# Altium PCB SmartMCU_PCB.PcbDoc (continued)
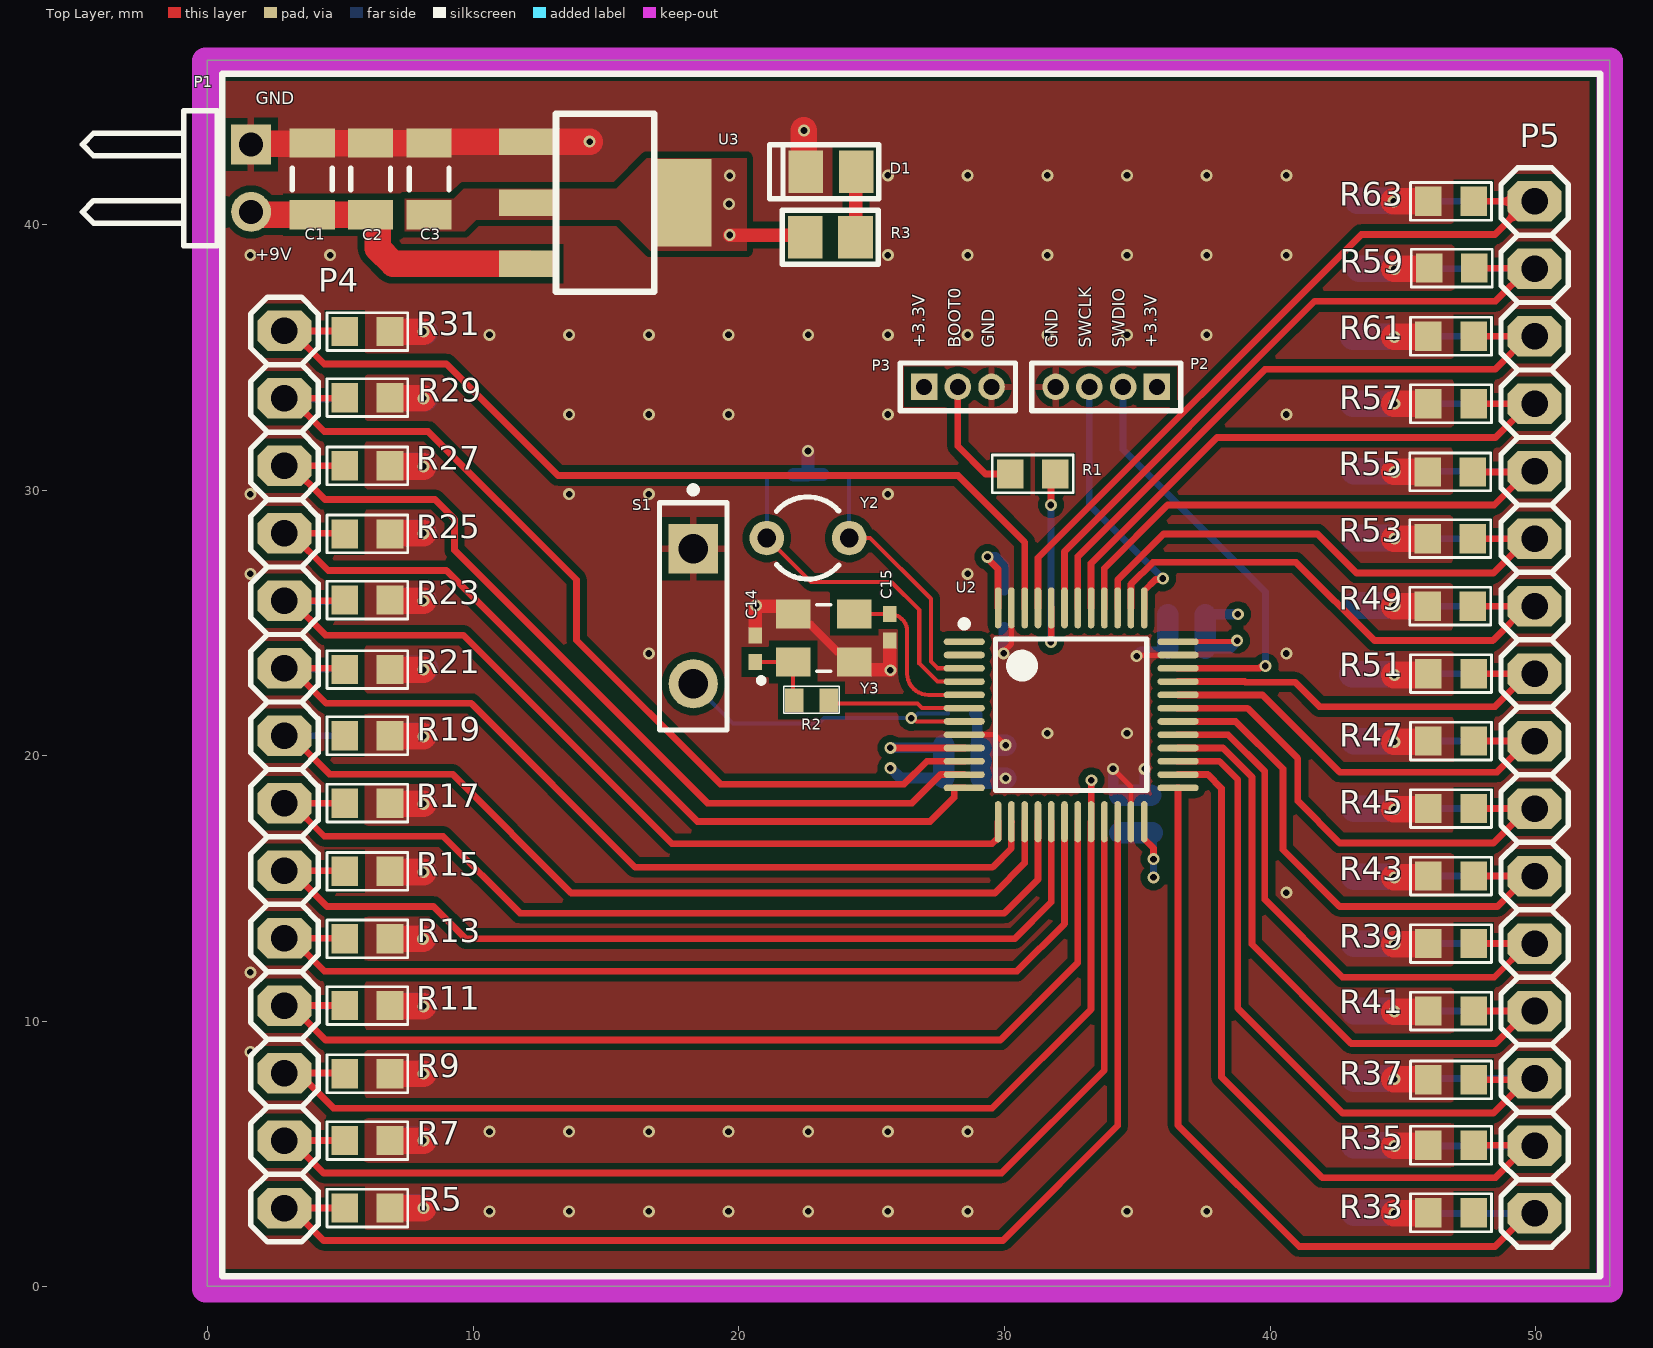
[diagram p0: Top Layer view]
## Design rules (kind name [scope] priority, off if disabled: settings)
Clearance "TopLayer Polygon" [InNamedPolygon('GND_L01_P001')] p1: gap=0.254 ignorepadtopadclearanceinfootprint=FALSE
Clearance [All] p2: gap=0.254 ignorepadtopadclearanceinfootprint=FALSE except(0: Arc-Hole Track-Hole SMDPad-Hole THPad-Hole Via-Hole Fill-Hole Poly-Hole Region-Hole Text-Hole; 0.1: SMDPad-SMDPad; 0.15: Arc-SMDPad Track-SMDPad; 0.2: Arc-Arc Arc-Track Track-Track)
ComponentClearance IGNORE_2 [InComponent('Y') vs InComponent('C14')] p1: gap=0.025 collisioncheckmode=3 verticalgap=0.254 showdistances=FALSE donotcheckwithout3dbody=TRUE
ComponentClearance IGNORE [InComponent('Y') vs InComponent('C15')] p2: gap=0.025 collisioncheckmode=3 verticalgap=0.254 showdistances=FALSE donotcheckwithout3dbody=TRUE
ComponentClearance ComponentClearance_1 [All] p3: gap=0.025 collisioncheckmode=3 verticalgap=0.254 showdistances=FALSE donotcheckwithout3dbody=TRUE
PlaneClearance [All] p1: clearance=0.508
PlaneConnect [All] p1: planeconnectstyle=Direct reliefexpansion=0.508 reliefentries=4 reliefconductorwidth=0.254 reliefairgap=0.254
PolygonConnect [All] p1: thpad.connectstyle=Relief thpad.reliefconductorwidth=0.254 thpad.reliefentries=4 thpad.polygonreliefangle="90 Angle" thpad.airgapwidth=0.254 smdpad.connectstyle=Direct smdpad.reliefconductorwidth=0.254 smdpad.reliefentries=4 smdpad.polygonreliefangle="90 Angle" smdpad.airgapwidth=0.254 via.connectstyle=Direct via.reliefconductorwidth=0.254 via.reliefentries=4 via.polygonreliefangle="90 Angle" via.airgapwidth=0.254
RoutingVias [All] p1: holewidth=0.25 width=0.45 viastyle="Through Hole" minholewidth=0.2 minwidth=0.4 maxholewidth=0.711 maxwidth=1.27
SolderMaskExpansion [All] p1: expansion=0.102 istentingtop=FALSE
Width [All] p1: maxlimit=1 minlimit=0.152 preferedwidth=0.4
27 further rules are at their usual default settings.

## Classes and differential pairs
component class MCU: C4 C5 C6 C7 C8 C9 C10
component class SmartMCU_sch: C1 C2 C3 C11 C12 C13 C14 C15 D1 P1 P2 P3 P4 P5 R1 R2 R3 R4 R5 R6 R7 R8 R9 R10 R11 R12 R13 R14 R15 R16 R17 R18 R19 R20 R21 R22 R23 R24 R25 R26 R27 R28 R29 R30 R31 R32 R33 R34 R35 R36 R37 R38 R39 R40 R41 R42 R43 R44 R45 R46 R47 R48 R49 R50 R51 R52 R53 R54 R55 R56 R57 R58 R59 R60 R61 R62 R63 S1 U2 U3 Y2 Y3

## Components (designator, comment, footprint, x,y, rotation, side; value= is the part's Value field where it differs from the comment)
C1 "tantalum cap" C1206tancap 3.941,41.709 r270 top value=10uF
C2 "tantalum cap" C1206tancap 6.141,41.709 r270 top value=10uF
C3 "tantalum cap" C1206tancap 8.341,41.709 r270 top value=10uF
C4 "Cap Semi" 1608[0603]cap 36.855,25.298 r0 bottom value=100nF
C5 "Cap Semi" 1608[0603]cap 29.997,25.527 r90 bottom value=100nF
C6 "Cap Semi" 1608[0603]cap 35.56,17.805 r270 bottom value=100nF
C7 "Cap Semi" 1608[0603]cap 34.341,17.805 r270 bottom value=100nF
C8 "Cap Semi" 1608[0603]cap 36.855,24.054 r0 bottom value=100nF
C9 "Cap Semi" 1608[0603]cap 28.423,19.177 r180 bottom value=10nF
C10 "Cap Semi" 1608[0603]cap 28.423,20.396 r180 bottom value=10uF
C11 "Cap Semi_4" 0402cap 23.656,30.582 r180 bottom value=10pF
C12 "Cap Semi_4" 0402cap 21.556,30.582 r0 bottom value=10pF
C13 "Cap Semi_4" 0402cap 28.372,21.59 r180 bottom value=10pF
C14 "Cap Semi_4" 0402cap 20.625,24.028 r90 top value=10pF
C15 "Cap Semi_4" 0402cap 25.687,24.83 r270 top value=10pF
D1 "LED" MY_LED_0805 23.47,42.062 r0 top
P1 "Header 2H" HDR1X2H 1.641,43.009 r270 top
P2 "MHDR1X4" MHDR1X4body 35.738,33.884 r180 top
P3 "MHDR1X3" MHDR1X3body 26.975,33.884 r0 top
P4 "Header 14" My_1X14 2.896,19.482 r90 top
P5 "Header 16" My_1X16 49.962,21.819 r90 top
R1 "1K" MY_0603 31.064,30.607 r180 top
R2 "1K" MY_0402 22.733,22.073 r0 top
R3 "1K" MY_0805 23.444,39.522 r0 top
R4 "1K" MY_0603 6.02,2.972 r180 bottom
R5 "1K" MY_0603 6.02,2.972 r0 top
R6 "1K" MY_0603 6.02,5.512 r180 bottom
R7 "1K" MY_0603 6.02,5.512 r0 top
R8 "1K" MY_0603 6.02,8.026 r180 bottom
R9 "1K" MY_0603 6.02,8.026 r0 top
R10 "1K" MY_0603 6.02,10.592 r180 bottom
R11 "1K" MY_0603 6.02,10.592 r0 top
R12 "1K" MY_0603 6.02,13.106 r180 bottom
R13 "1K" MY_0603 6.02,13.106 r0 top
R14 "1K" MY_0603 6.02,15.646 r180 bottom
R15 "1K" MY_0603 6.02,15.646 r0 top
R16 "1K" MY_0603 6.02,18.212 r180 bottom
R17 "1K" MY_0603 6.02,18.212 r0 top
R18 "1K" MY_0603 6.02,20.752 r180 bottom
R19 "1K" MY_0603 6.02,20.752 r0 top
R20 "1K" MY_0603 6.02,23.241 r180 bottom
R21 "1K" MY_0603 6.02,23.241 r0 top
R22 "1K" MY_0603 6.02,25.857 r180 bottom
R23 "1K" MY_0603 6.02,25.857 r0 top
R24 "1K" MY_0603 6.02,28.346 r180 bottom
R25 "1K" MY_0603 6.02,28.346 r0 top
R26 "1K" MY_0603 6.02,30.912 r180 bottom
R27 "1K" MY_0603 6.02,30.912 r0 top
R28 "1K" MY_0603 6.02,33.477 r180 bottom
R29 "1K" MY_0603 6.02,33.477 r0 top
R30 "1K" MY_0603 6.02,35.966 r180 bottom
R31 "1K" MY_0603 6.02,35.966 r0 top
R32 "1K" MY_0603 45.39,2.794 r0 bottom
R33 "1K" MY_0603 46.812,2.794 r180 top
R34 "1K" MY_0603 45.39,5.334 r0 bottom
R35 "1K" MY_0603 46.812,5.334 r180 top
R36 "1K" MY_0603 45.39,7.798 r0 bottom
R37 "1K" MY_0603 46.812,7.798 r180 top
R38 "1K" MY_0603 45.39,10.389 r0 bottom
R39 "1K" MY_0603 46.812,10.389 r180 top
R40 "1K" MY_0603 45.39,12.929 r0 bottom
R41 "1K" MY_0603 46.812,12.929 r180 top
R42 "1K" MY_0603 45.39,15.469 r0 bottom
R43 "1K" MY_0603 46.812,15.469 r180 top
R44 "1K" MY_0603 45.39,18.009 r0 bottom
R45 "1K" MY_0603 46.812,18.009 r180 top
R46 "1K" MY_0603 45.39,20.549 r0 bottom
R47 "1K" MY_0603 46.812,20.549 r180 top
R48 "1K" MY_0603 45.39,23.089 r0 bottom
R49 "1K" MY_0603 46.812,23.089 r180 top
R50 "1K" MY_0603 45.364,25.629 r0 bottom
R51 "1K" MY_0603 46.787,25.629 r180 top
R52 "1K" MY_0603 45.364,28.169 r0 bottom
R53 "1K" MY_0603 46.787,28.169 r180 top
R54 "1K" MY_0603 45.364,30.683 r0 bottom
R55 "1K" MY_0603 46.787,30.683 r180 top
R56 "1K" MY_0603 45.39,33.249 r0 bottom
R57 "1K" MY_0603 46.812,33.249 r180 top
R58 "1K" MY_0603 45.39,35.789 r0 bottom
R59 "1K" MY_0603 46.812,35.789 r180 top
R60 "1K" MY_0603 45.415,38.354 r0 bottom
R61 "1K" MY_0603 46.838,38.354 r180 top
R62 "1K" MY_0603 45.39,40.869 r0 bottom
R63 "1K" MY_0603 46.812,40.869 r180 top
S1 "SW-PB" SPST-2_body 18.288,25.248 r270 top
U2 "STM32F103C8T6" STM-LQFP48_L 32.512,21.539 r0 top
U3 "lm1117" "4-Pin SOT" 14.965,37.468 r270 top
Y2 "XTAL" 32768 22.606,28.194 r270 top
Y3 "ECS-80-12-33-JGN-TR" 8MHZCrystall 23.195,24.43 r0 top

## Footprints (in the part's own frame and the unit in brackets; to place one, negate y for a bottom-side part, rotate by r counter-clockwise, add the part's x,y. Pads: shape width x height; smd on the part's side, far side on the other; paste and mask are expansions set on the pad)
"4-Pin SOT" [mm]
  rect 1x2.2 smd: 0(-1.05,-2.9) 1(-5.65,-2.9) 2(-3.35,-2.9)
  rect 3.3x2.2 smd: 2(-3.35,2.9)
  silkscreen extent -6.7,-1.85 0,1.85, body extent -6.6,-3.25 -0.1,3.75, height 1.87
8MHZCrystall [mm]
  rect 1.3x1.1 smd: 1(-1.15,-0.9) 2(1.15,-0.9) 3(1.15,0.9) 4(-1.15,0.9)
  silkscreen extent -2.45,-1.7 0.27,1.25, body extent -0.95,-0.8 1.05,0.8, height 0.49
0402cap [mm]
  rect 0.6x0.5 smd: 1(-0.5,0) 2(0.5,0)
  body extent -0.5,-0.25 0.5,0.25, height 0.51
1608[0603]cap [mm]
  rect 0.8x0.9 smd: 1(-0.7,0) 2(0.7,0)
  body extent -0.77,-0.4 0.83,0.4, height 0.9
32768 [mm]
  round 1.3 hole 0.7: 1(0,1.55) 2(0,-1.55)
  silkscreen extent -1.55,-1.19 1.55,1.17, body extent -1.63,-1.75 1.57,1.7, height 9.54
C1206tancap [mm]
  rect 1.1x1.7 smd: 1(-1.35,0) 2(1.35,0)
  silkscreen extent -0.4,-0.75 0.4,0.75, body extent -1.7,-0.9 1.7,0.9, height 1.8
HDR1X2H [mm] "Connector; Header; 2 Position; Right Angle"
  rect 1.5x1.5 hole 0.9: 1(0,0)
  round 1.5 hole 0.9: 2(2.54,0)
  silkscreen extent -1.27,-6.35 3.81,-1.27
MHDR1X3body [mm]
  rect 1x1 hole 0.6: 1(0,0)
  round 1 hole 0.6: 2(1.27,0) 3(2.54,0)
  silkscreen extent -0.9,-0.9 3.44,0.9, body extent -0.64,-1.2 3.17,1.2, height 5
MHDR1X4body [mm]
  rect 1x1 hole 0.6: 1(0,0)
  round 1 hole 0.6: 2(1.27,0) 3(2.54,0) 4(3.81,0)
  silkscreen extent -0.9,-0.9 4.71,0.9, body extent -0.66,-1.22 4.42,1.28, height 4.61
My_1X14 [mil]
  oct 60x80 hole 39.37: 1(-650,0) 2(-550,0) 3(-450,0) 4(-350,0) 5(-250,0) 6(-150,0) 7(-50,0) 8(50,0) 9(150,0) 10(250,0) 11(350,0) 12(450,0) 13(550,0) 14(650,0)
  silkscreen extent -700,-50 700,50, body extent -700,-49 696,49, height 323
My_1X16 [mil]
  oct 60x80 hole 39.37: 1(-750,0) 2(-650,0) 3(-550,0) 4(-450,0) 5(-350,0) 6(-250,0) 7(-150,0) 8(-50,0) 9(50,0) 10(150,0) 11(250,0) 12(350,0) 13(450,0) 14(550,0) 15(650,0) 16(750,0)
  silkscreen extent -800,-50 800,50, body extent -800,-49 796,49, height 323
MY_0402 [mm]
  rect 0.7x0.9 smd: 1(-0.65,0) 2(0.65,0)
  silkscreen extent -1.04,-0.48 1.04,0.53, body extent -0.5,-0.25 0.5,0.25, height 0.34
MY_0603 [mm]
  rect 1x1.1 smd: 1(-0.85,0) 2(0.85,0)
  silkscreen extent -1.52,-0.71 1.52,0.71, body extent -0.8,-0.4 0.8,0.4, height 0.44
MY_0805 [mm]
  rect 1.3x1.6 smd: 1(-0.95,0) 2(0.95,0)
  silkscreen extent -1.8,-1.02 1.8,1.02, body extent -1,-0.62 1,0.63, height 0.59
MY_LED_0805 [mm]
  rect 1.3x1.6 smd: A(0.95,-0.076) K(-0.95,-0.076)
  silkscreen extent -2.31,-1.09 1.8,0.94, body extent -1.06,-0.48 1.01,0.42, height 0.86
SPST-2_body [mm]
  rect 1.85x1.85 hole 1.1: 1(-2.54,0)
  round 1.85 hole 1.1: 2(2.54,0)
  silkscreen extent -4.89,-1.27 4.28,1.27, body extent -3.93,-1.75 3.83,1.75, height 5.25
STM-LQFP48_L [mm] "QFP, 48-Leads, Body 7x7mm, Pitch 0.5mm, IPC High Density"
  oval 1.55x0.25 smd: 1(-4.025,2.75) 2(-4.025,2.25) 3(-4.025,1.75) 4(-4.025,1.25) 5(-4.025,0.75) 6(-4.025,0.25) 7(-4.025,-0.25) 8(-4.025,-0.75) 9(-4.025,-1.25) 10(-4.025,-1.75) 11(-4.025,-2.25) 12(-4.025,-2.75) 25(4.025,-2.75) 26(4.025,-2.25) 27(4.025,-1.75) 28(4.025,-1.25) 29(4.025,-0.75) 30(4.025,-0.25) 31(4.025,0.25) 32(4.025,0.75) 33(4.025,1.25) 34(4.025,1.75) 35(4.025,2.25) 36(4.025,2.75)
  oval 0.25x1.55 smd: 13(-2.75,-4.025) 14(-2.25,-4.025) 15(-1.75,-4.025) 16(-1.25,-4.025) 17(-0.75,-4.025) 18(-0.25,-4.025) 19(0.25,-4.025) 20(0.75,-4.025) 21(1.25,-4.025) 22(1.75,-4.025) 23(2.25,-4.025) 24(2.75,-4.025) 37(2.75,4.025) 38(2.25,4.025) 39(1.75,4.025) 40(1.25,4.025) 41(0.75,4.025) 42(0.25,4.025) 43(-0.25,4.025) 44(-0.75,4.025) 45(-1.25,4.025) 46(-1.75,4.025) 47(-2.25,4.025) 48(-2.75,4.025)
  silkscreen extent -4.15,-2.85 2.85,3.55

## Part data
C1 C2 C3: library part "Cap Semi_5", "Capacitor (Semiconductor SIM Model)", LatestRevisionDate=29-May-2009, LatestRevisionNote="IPC-7351 Footprint Added.", PackageDescription="Chip Capacitor", PackageReference=C1206, Published=8-Jun-2000, Publisher="Altium Limited"
C4 C5 C6 C7 C8 C9 C10 C11 C12 C13 C14 C15: "Capacitor (Semiconductor SIM Model)", LatestRevisionDate=29-May-2009, LatestRevisionNote="IPC-7351 Footprint Added.", PackageDescription="Chip Capacitor", PackageReference=C1206, Published=8-Jun-2000, Publisher="Altium Limited"
D1: "Typical INFRARED GaAs LED", ASiD Part Number=LED-AS
P1: "Header, 2-Pin, Right Angle", Voltage=9V, LatestRevisionDate=17-Jul-2002, LatestRevisionNote="Re-released for DXP Platform.", Publisher="Altium Limited"
P2: "Header, 4-Pin", LatestRevisionDate=17-Jul-2002, LatestRevisionNote="Re-released for DXP Platform.", Publisher="Altium Limited"
P3: "Header, 3-Pin", LatestRevisionDate=17-Jul-2002, LatestRevisionNote="Re-released for DXP Platform.", Publisher="Altium Limited"
P4: "Header, 14-Pin", ASiD Part Number="Header 14-AS"
P5: "Header, 16-Pin", ASiD Part Number="Header 16-AS"
R1 R2 R3 R4 R5 R6 R7 R8 R9 R10 R11 R12 R13 R14 R15 R16 R17 R18 R19 R20 R21 R22 R23 R24 R25 R26 R27 R28 R29 R30 R31 R32 R33 R34 R35 R36 R37 R38 R39 R40 R41 R42 R43 R44 R45 R46 R47 R48 R49 R50 R51 R52 R53 R54 R55 R56 R57 R58 R59 R60 R61 R62 R63: library part Res, "Standard resistor", ASiD Part Number=Res-AS
S1: "Switch", LatestRevisionDate=17-Jul-2002, LatestRevisionNote="Re-released for DXP Platform.", PackageDescription="Switch; 2 Leads", PackageReference=SPST-2, Published=24-Mar-1999, Publisher="Altium Limited"
U2: library part CMP-0237-00215-3, "ARM Cortex-M3 32-bit MCU, 64 KB Flash, 20 KB Internal RAM, 37 I/Os, 48-pin LQFP, -40 to 85 degC, Tray", I/Os (High Current)=37, Operating Frequency(F) (Processor speed) (MHz)=72, Supply Voltage(Vcc) min (V)=2, A/D Converter="2x12-bit (10 Channel)", ComponentLink1Description="Manufacturer URL", ComponentLink1URL=http://www.st.com/web/en/home.html, ComponentLink2Description=Datasheet, ComponentLink2URL=http://www.st.com/st-web-ui/static/active/en/resource/technical/document/datasheet/CD00161566.pdf, ComponentLink3Description="Package Specification", ComponentLink3URL=http://www.st.com/st-web-ui/static/active/en/resource/technical/document/datasheet/DM00058181.pdf, Core="ARM Cortex-M3", DatasheetVersion="Rev. 16", FLASH Size (Prog) (kB)=64, Internal RAM Size (kB)=20, Mounting Technology="Surface Mount", PackageDescription="48-Pin Low Profile Quad Flat Package, 7 x 7 mm Body, 0.5 mm Pitch", PackageReference=LQFP48, PackageVersion="Rev. 6, 06/2013", Packing=Tray, PartNumber=STM32F103C8T6
U3: "The LM1117 is a low dropout voltage regulator with a / dropout of 1.2 V at 800 mA of load current. / The LM1117 is available in an adjustable version, / which can set the output voltage from 1.25 to 13.8 V / with only two external resistors. In addition, it is / available in five fixed voltages, 1.8 V, 2.5 V, 3.3 V, / and 5 V. / The LM1117 offers current limiting and thermal / shutdown. Its circuit includes a Zener trimmed / bandgap reference to assure output voltage accuracy / to within ±1%. / A minimum of 10-µF tantalum capacitor is required at / the output to improve the transient response and / stability.", output voltag=3.3V, ComponentLink1Description=datasheet, ComponentLink1URL=https://www.ti.com/lit/gpn/lm1117
Y2: "Crystal Oscillator", LatestRevisionDate=17-Jul-2002, LatestRevisionNote="Re-released for DXP Platform.", PackageDescription="Crystal, Thru-Hole; 2 Leads; Body 3.1 x 8.2 mm (Dia.xH)", PackageReference=R38, Published=8-Jun-2000, Publisher="Altium Limited"
Y3: "8MHz Â±20ppm Crystal 12pF 400 Ohms 4-SMD, No Lead", Package="SMD-4 ECS International", Availability=Warning, BuyPart=https://www.snapeda.com/parts/ECS-80-12-33-JGN-TR/ECS%20Inc./view-part/4477300/?ref=eda, MF="ECS Inc.", Mouser-Purchase-URL=https://snapeda.com/shop?store=Mouser&id=4477300, MP=ECS-80-12-33-JGN-TR, Price=None, SnapEDA_Link=https://www.snapeda.com/parts/ECS-80-12-33-JGN-TR/ECS%20Inc./view-part/4477300/?ref=snap

## Via types
v1: diameter 0.45, hole 0.25, Top Layer to Bottom Layer, tented both sides, 85 vias
v2: diameter 0.45, hole 0.25, Top Layer to GND, tented both sides, 30 vias
v3: diameter 0.45, hole 0.25, +3.3v to Bottom Layer, tented both sides, 30 vias

## Nets (pads, with @x,y where several pads share a name; then routed paths per layer and width w, separated by ;. In a path a pad name is that pad's centre, name@x,y a point inside that pad or via, vN(x,y) a via of type N, cw(c..) or ccw(c..) an arc to the next point about the centre after c; other vN are vias at no path point)
32Khz_01: C11.1 U2.3 Y2.1 | length 10.1
  Top Layer w0.152: Y2.1 24.159,28.191 24.945,28.191 27.229,25.908 27.229,23.546 27.483,23.292 28.484,23.292 U2.3
  Bottom Layer w0.152: Y2.1 C11.1
32Khz_02: C12.1 U2.4 Y2.2 | length 13.2
  Top Layer w0.152: Y2.2 22.716,26.534 25.74,26.534 26.794,25.479 26.794,23.479 27.483,22.789 U2.4
  Bottom Layer w0.152: Y2.2 C12.1
+3.3v: C3.2 C4.2 C5.2 C6.2 C7.2 C8.2 C9.2 C10.2 P2.1 P3.1 R3.1 R4.1 R6.1 R8.1 R10.1 R12.1 R14.1 R16.1 R18.1 R20.1 R22.1 R24.1 R26.1 R28.1 R30.1 R32.1 R34.1 R36.1 R38.1 R40.1 R42.1 R44.1 R46.1 R48.1 R50.1 R52.1 R54.1 R56.1 R58.1 R60.1 R62.1 U2.9 U2.24 U2.36 U2.48 U3.2 | length 63.2
  Top Layer w0.2: U2.36 36.547,24.299 38.726,24.299 v1(38.76,24.333)
  Top Layer w0.254: v1(25.705,20.295) 25.793,20.295 25.795,20.292 26.817,20.292 26.82,20.289 U2.9 ; v1(29.362,27.483) 29.362,27.43 29.762,27.03 U2.48 ; U2.24@35.264,16.866 35.611,16.519 v1(35.611,16.104)
  Top Layer w0.508: v1(19.66,39.599) 22.418,39.599 R3.1
  Bottom Layer w0.254: C6.2 35.592,17.105 35.611,17.086 v1(35.611,16.104) v1(35.611,15.418) ; C4.2 C4.2@37.581,25.324
  Bottom Layer w0.4: v1(25.705,19.533) 25.718,19.533 26.09,19.161 27.707,19.161 C9.2 ; v1(25.705,20.295) 25.714,20.304 27.631,20.304 C10.2 ; v1(29.362,27.483) 29.372,27.473 29.663,27.473 29.997,27.139 C5.2 ; C8.2 38.503,24.054 38.751,24.302 38.751,24.324 v1(38.76,24.333) ; C4.2@37.581,25.324 v1(38.786,25.324)
  Bottom Layer w0.813: C9.2 C10.2 ; C7.2 C6.2 ; C8.2 C4.2
  Bottom Layer w1: R4.1@6.87,2.997 v3@8.142,2.997 ; R6.1@6.87,5.537 v3@8.142,5.537 ; R8.1@6.87,8.052 v3@8.142,8.052 ; R10.1 v3@8.142,10.592 ; R12.1@6.87,13.132 v3@8.142,13.132 ; R14.1 v3@8.142,15.646 ; R16.1 v3@8.142,18.212 ; R18.1 v3@8.142,20.752 ; R20.1@6.87,23.266 v3(8.204,23.266) ; R22.1 v3@8.142,25.857 ; R24.1@6.87,28.397 v3@8.142,28.397 ; R26.1 v3@8.142,30.912 ; R28.1 6.87,33.452 v3(8.179,33.452) ; R30.1 v3(8.179,35.966) ; v3(43.104,23.063) R48.1@44.438,23.063 ; v3(43.129,33.249) R56.1@44.438,33.249 ; v3(43.129,35.763) R58.1@44.438,35.763 ; v3@43.166,2.794 R32.1@44.438,2.794 ; v3@43.166,5.334 R34.1@44.438,5.334 ; v3@43.166,7.849 R36.1@44.438,7.849 ; v3@43.166,10.389 R38.1@44.438,10.389 ; v3@43.166,12.929 R40.1@44.438,12.929 ; v3@43.166,15.443 R42.1@44.438,15.443 ; v3@43.166,18.009 R44.1@44.438,18.009 ; v3@43.166,20.549 R46.1@44.438,20.549 ; v3@43.166,25.654 R50.1@44.438,25.654 ; v3@43.166,28.194 R52.1@44.438,28.194 ; v3@43.166,30.709 R54.1@44.438,30.709 ; v3(43.307,40.894) 44.54,40.894 R62.1 ; v3(43.358,38.329) 44.565,38.329 R60.1
  other v1: 19.634,40.767 19.66,41.834
  other v3: 43.129,2.769 8.179,2.972 43.129,5.309 8.179,5.512 43.129,7.823 8.179,8.026 43.129,10.363 8.179,10.566 43.129,12.903 8.179,13.106 43.129,15.418 8.179,15.621 43.129,17.983 8.179,18.186 43.129,20.523 8.179,20.726 43.129,25.629 8.179,25.832 43.129,28.169 8.179,28.372 43.129,30.683 8.179,30.886
+9V: C1.2 C2.2 P1.2 U3.0 | length 11.8
  Top Layer w1: P1.2 1.751,40.359 C1.2 C2.2 ; C2.2@6.298,40.359 6.357,40.359 6.407,40.309 6.407,39.104 6.992,38.518 U3.0
BOOT0: P3.2 R1.2 | length 4.6
  Top Layer w0.254: P3.2 28.245,31.648 29.286,30.607 R1.2
GND: C1.1 C2.1 C3.1 C4.1 C5.1 C6.1 C7.1 C8.1 C9.1 C10.1 C11.2 C12.2 C13.1 C14.2 C15.2 D1.K P1.1 P2.4 P3.3 R5.2 R7.2 R9.2 R11.2 R13.2 R15.2 R17.2 R19.2 R21.2 R23.2 R25.2 R27.2 R29.2 R31.2 R33.2 R35.2 R37.2 R39.2 R41.2 R43.2 R45.2 R47.2 R49.2 R51.2 R53.2 R55.2 R57.2 R59.2 R61.2 R63.2 S1.1 U2.8 U2.23 U2.35 U2.47 U3.1 Y3.2 Y3.4 | length 81.3
  Top Layer w0.2: U2.8 29.655,20.789 v1(30.048,20.396) ; v1(29.972,23.851) 29.972,23.918 30.262,24.208 U2.47 ; v1(34.087,19.507) 34.762,18.832 U2.23 ; v1(34.976,23.749) 35.006,23.78 36.527,23.78 U2.35
  Top Layer w0.3: Y3.4@21.814,25.552 22.436,24.93 22.695,24.93 23.695,23.93 23.936,23.93 Y3.2@24.336,23.53
  Top Layer w0.5: C14.2 20.625,25.629 v1(20.65,25.654) 20.674,25.63 21.736,25.63 Y3.4@21.814,25.552 ; Y3.2@24.336,23.53 24.636,23.23 v1@25.69,23.23 ; C15.2 25.687,23.234 v1@25.69,23.23 ; v1(25.705,23.216) v1@25.69,23.23
  Top Layer w1: P1.1 1.666,43.034 3.916,43.034 C1.1 C2.1 ; C2.1@6.341,43.059 C3.1 ; R5.2 v2(8.128,2.972) ; R7.2 v2(8.128,5.512) ; R9.2 v2(8.128,8.026) ; R11.2 6.87,10.566 v2(8.128,10.566) ; R13.2 v2(8.109,13.106) ; R15.2 6.87,15.621 v2(8.128,15.621) ; R17.2 6.87,18.186 v2(8.128,18.186) ; R19.2 6.87,20.726 v2(8.128,20.726) ; R21.2 v2(8.128,23.241) ; R23.2 6.87,25.832 v2(8.128,25.832) ; R25.2 6.87,28.372 v2(8.128,28.372) ; R27.2 6.87,30.886 v2(8.128,30.886) ; R29.2 6.87,33.452 v2(8.128,33.452) ; R31.2 v2(8.128,35.966) ; C3.1@8.395,43.109 9.084,43.109 9.088,43.113 11.167,43.113 11.172,43.118 U3.1 v1(14.388,43.118) ; v1(22.454,43.536) 22.454,42.052 D1.K ; v2(44.653,40.869) R63.2 ; v2(44.679,2.769) R33.2@45.937,2.769 ; v2(44.679,5.309) R35.2@45.937,5.309 ; v2(44.679,7.823) R37.2@45.937,7.823 ; v2(44.679,10.363) R39.2@45.937,10.363 ; v2(44.679,12.903) R41.2@45.937,12.903 ; v2(44.679,15.418) R43.2@45.937,15.418 ; v2(44.679,17.983) R45.2@45.937,17.983 ; v2(44.679,20.523) R47.2@45.937,20.523 ; v2(44.679,23.038) R49.2@45.937,23.038 ; v2(44.679,25.629) R51.2 ; v2(44.679,28.169) R53.2 ; v2(44.679,30.683) R55.2 ; v2(44.679,33.249) R57.2@45.937,33.249 ; v2(44.679,35.763) R59.2@45.937,35.763 ; v2(44.679,38.329) 45.988,38.329 R61.2
  Bottom Layer w0.4: C13.1 28.922,21.59 28.972,21.54 28.972,20.613 28.939,20.58 C10.1 ; v1(29.972,23.851) 29.982,23.86 29.982,24.811 C5.1 ; v1(34.087,19.507) 34.096,19.498 34.096,18.705 34.141,18.705 C7.1 ; v1(34.976,23.749) 34.989,23.749 35.142,23.901 36.003,23.901 C8.1 ; v1@35.281,19.533 35.29,19.523 35.29,18.775 35.31,18.755 35.31,18.705 35.51,18.505 C6.1
  Bottom Layer w0.5: C12.2@22.058,30.58 22.606,30.58 ; v1(22.606,31.471) 22.606,30.58 ; C11.2 22.608,30.582 22.606,30.58
  Bottom Layer w0.813: v1(30.048,19.152) 29.129,19.152 29.123,19.158 C9.1 C10.1 v1(30.048,20.396) ; C7.1 C6.1@35.51,18.505 ; C8.1 C4.1
  other v1: 10.614,2.845 13.614,2.845 16.614,2.845 19.614,2.845 22.614,2.845 25.614,2.845 28.614,2.845 34.614,2.845 37.614,2.845 10.614,5.845 13.614,5.845 16.614,5.845 19.614,5.845 22.614,5.845 25.614,5.845 28.614,5.845 1.614,8.845 1.614,11.845 40.614,14.845 35.281,19.507 31.614,20.845 34.614,20.845 16.614,23.845 40.614,23.845 1.614,26.845 28.614,26.845 1.614,29.845 13.614,29.845 16.614,29.845 25.614,29.845 13.614,32.845 16.614,32.845 19.614,32.845 25.614,32.845 40.614,32.845 10.614,35.845 13.614,35.845 16.614,35.845 19.614,35.845 22.614,35.845 25.614,35.845 28.614,35.845 31.614,35.845 34.614,35.845 37.614,35.845 1.614,38.845 4.614,38.845 25.614,38.845 28.614,38.845 31.614,38.845 34.614,38.845 37.614,38.845 40.614,38.845 25.614,41.845 28.614,41.845 31.614,41.845 34.614,41.845 37.614,41.845 40.614,41.845
IN/OUT: C14.1 R2.1 Y3.1 | length 2.9
  Top Layer w0.152: C14.1 22.043,23.528 Y3.1 22.045,22.111 R2.1
NetD1_A: D1.A R3.2 | length 2.5
  Top Layer w0.508: R3.2 24.407,39.535 24.407,41.974 D1.A
NetR1_1: R1.1 U2.44 | length 7.7
  Top Layer w0.254: v1(31.75,24.282) 31.762,24.282 U2.44 ; v1(31.75,29.439) 31.75,30.443 R1.1
  Bottom Layer w0.254: v1(31.75,24.282) v1(31.75,29.439)
NetR2_2: R2.2 U2.6 | length 5.2
  Top Layer w0.152: R2.2 23.488,21.967 26.722,21.967 26.9,21.789 U2.6
NRST: C13.2 S1.2 U2.7 | length 12.4
  Top Layer w0.152: v1(26.492,21.412) 26.573,21.412 26.696,21.289 U2.7
  Bottom Layer w0.152: S1.2 19.787,21.209 22.998,21.209 23.201,21.412 26.573,21.412 26.751,21.59 C13.2
OUT/IN: C15.1 U2.5 Y3.3 | length 6.6
  Top Layer w0.152: Y3.3 C15.1 cw(c25.687,24.677) 26.34,24.677 26.34,23.089 ccw(c27.139,23.089) 27.139,22.289 U2.5
PA0: P4.13 R28.2 R29.1 U2.10 | length 37.6
  Top Layer w0.254: P4.13 P4.13@3.15,33.452 ; R29.1@5.17,33.452 P4.13@3.15,33.452 ; U2.10 27.078,19.789 26.215,18.927 19.308,18.927 13.889,24.345 13.889,26.624 8.306,32.207 4.394,32.207 P4.13@3.15,33.452
  Bottom Layer w0.254: P4.13@2.896,33.426 R28.2@5.17,33.426
PA1: P4.12 R26.2 R27.1 U2.11 | length 36.3
  Top Layer w0.254: P4.12 P4.12@3.15,30.912 ; R27.1 P4.12@3.15,30.912 ; U2.11 27.595,19.289 26.518,18.212 18.821,18.212 9.296,27.737 9.296,28.905 8.56,29.642 4.42,29.642 P4.12@3.15,30.912
  Bottom Layer w0.254: P4.12@2.896,30.886 2.921,30.912 R26.2
PA2: P4.11 R24.2 R25.1 U2.12 | length 35.1
  Top Layer w0.254: P4.11 P4.11@3.15,28.372 ; R25.1@5.17,28.372 P4.11@3.15,28.372 ; U2.12 28.109,18.789 28.107,18.787 28.107,18.43 27.203,17.526 18.44,17.526 8.992,26.975 4.547,26.975 P4.11@3.15,28.372
  Bottom Layer w0.254: P4.11@2.921,28.372 5.144,28.372 R24.2
PA3: P4.10 R22.2 R23.1 U2.13 | length 35.7
  Top Layer w0.254: P4.10 P4.10@3.15,25.832 ; R23.1@5.17,25.832 P4.10@3.15,25.832 ; U2.13 29.762,16.868 29.76,16.866 29.719,16.866 29.54,16.688 17.475,16.688 9.627,24.536 4.445,24.536 P4.10@3.15,25.832
  Bottom Layer w0.254: P4.10@2.896,25.806 R22.2@5.17,25.806
PA4: P4.9 R20.2 R21.1 U2.14 | length 36.1
  Top Layer w0.254: P4.9 P4.9@3.15,23.292 ; R21.1@5.17,23.292 P4.9@3.15,23.292 ; U2.14 30.26,17.512 30.26,16.515 29.544,15.799 16.104,15.799 9.931,21.971 4.47,21.971 P4.9@3.15,23.292
  Bottom Layer w0.254: P4.9@2.896,23.266 R20.2@5.17,23.266
PA5: P4.8 R18.2 R19.1 U2.15 | length 34.6
  Top Layer w0.254: P4.8 3.15,20.752 4.597,19.304 9.22,19.304 13.691,14.834 29.642,14.834 30.762,15.954 U2.15
  Bottom Layer w0.254: P4.8@2.921,20.752 R18.2
PA6: P4.7 R16.2 R17.1 U2.16 | length 37.1
  Top Layer w0.254: P4.7 P4.7@3.15,18.212 ; R17.1 P4.7@3.15,18.212 ; U2.16 31.262,15.336 29.997,14.072 11.76,14.072 8.865,16.967 4.394,16.967 P4.7@3.15,18.212
  Bottom Layer w0.254: P4.7@2.896,18.186 R16.2@5.17,18.186
PA7: P4.6 R14.2 R15.1 U2.17 | length 37.9
  Top Layer w0.254: P4.6 P4.6@3.15,15.672 ; R15.1 5.144,15.672 P4.6@3.15,15.672 ; U2.17 31.762,14.49 30.378,13.106 9.728,13.106 8.509,14.326 4.496,14.326 P4.6@3.15,15.672
  Bottom Layer w0.254: P4.6@2.896,15.646 2.921,15.672 5.144,15.672 R14.2
PA8: P5.5 R40.2 R41.1 U2.29 | length 26.3
  Top Layer w0.254: U2.29 38.418,20.789 39.802,19.406 39.802,14.58 42.723,11.659 48.438,11.659 P5.5@49.708,12.929 ; R41.1 P5.5@49.708,12.929 ; P5.5 P5.5@49.708,12.929
  Bottom Layer w0.254: R40.2 P5.5
PA9: P5.6 R42.2 R43.1 U2.30 | length 24.3
  Top Layer w0.254: U2.30 38.706,21.289 40.488,19.507 40.488,16.459 42.621,14.326 48.565,14.326 P5.6@49.708,15.469 ; R43.1 P5.6@49.708,15.469 ; P5.6 P5.6@49.708,15.469
  Bottom Layer w0.254: R42.2 P5.6
PA10: P5.7 R44.2 R45.1 U2.31 | length 22.8
  Top Layer w0.254: U2.31 39.145,21.789 41.046,19.888 41.046,18.288 42.621,16.713 48.412,16.713 P5.7@49.708,18.009 ; R45.1 P5.7@49.708,18.009 ; P5.7 P5.7@49.708,18.009
  Bottom Layer w0.254: R44.2 P5.7
PA11: P5.8 R46.2 R47.1 U2.32 | length 20.9
  Top Layer w0.254: U2.32 39.712,22.289 42.621,19.38 48.539,19.38 P5.8@49.708,20.549 ; R47.1 P5.8@49.708,20.549 ; P5.8 P5.8@49.708,20.549
  Bottom Layer w0.254: R46.2 P5.8
PA12: P5.9 R48.2 R49.1 U2.33 | length 20.3
  Top Layer w0.254: U2.33 39.05,22.789 39.07,22.768 40.935,22.768 41.859,21.844 48.463,21.844 P5.9@49.708,23.089 ; R49.1 P5.9@49.708,23.089 ; P5.9@49.936,23.089 P5.9@49.708,23.089 ; P5.9 P5.9@49.708,23.089
  Bottom Layer w0.254: R48.2 P5.9
PA15: P5.10 R50.2 R51.1 U2.38 | length 23.9
  Top Layer w0.254: U2.38 34.762,26.456 35.585,27.28 40.98,27.28 43.927,24.333 48.385,24.333 P5.10@49.68,25.629 ; R51.1 P5.10@49.68,25.629 ; P5.10 P5.10@49.68,25.629
  Bottom Layer w0.254: R50.2@46.265,25.629 P5.10
PB0: P4.5 R12.2 R13.1 U2.18 | length 38.8
  Top Layer w0.254: P4.5 P4.5@3.15,13.132 ; R13.1@5.17,13.132 P4.5@3.15,13.132 ; U2.18 32.262,13.669 30.48,11.887 4.394,11.887 P4.5@3.15,13.132
  Bottom Layer w0.254: P4.5@2.896,13.106 2.921,13.132 5.144,13.132 R12.2
PB1: P4.4 R10.2 R11.1 U2.19 | length 41.2
  Top Layer w0.254: P4.4 P4.4@3.15,10.592 ; R11.1 P4.4@3.15,10.592 ; U2.19 32.762,12.213 29.845,9.296 4.445,9.296 P4.4@3.15,10.592
  Bottom Layer w0.254: P4.4@2.896,10.566 R10.2@5.17,10.566
PB2: P4.3 R8.2 R9.1 U2.20 | length 45.1
  Top Layer w0.152: U2.20 U2.20@33.268,17.52 ; v1@33.268,19.069 v1(33.274,19.075)
  Top Layer w0.254: P4.3 P4.3@3.423,8.052 ; R9.1@5.17,8.052 P4.3@3.423,8.052 ; U2.20 33.262,10.453 29.54,6.731 4.744,6.731 P4.3@3.423,8.052 ; U2.20@33.268,17.52 v1@33.268,19.069
  Bottom Layer w0.254: P4.3@2.896,8.026 R8.2
PB3: P5.11 R52.2 R53.1 U2.39 | length 24.4
  Top Layer w0.254: U2.39 34.262,26.617 35.992,28.346 41.783,28.346 43.256,26.873 48.412,26.873 P5.11@49.708,28.169 ; R53.1 P5.11@49.708,28.169 ; P5.11 P5.11@49.708,28.169
  Bottom Layer w0.254: R52.2@46.265,28.169 P5.11
PB4: P5.12 R54.2 R55.1 U2.40 | length 25
  Top Layer w0.254: U2.40 33.762,27.056 36.144,29.439 48.438,29.439 P5.12@49.682,30.683 ; R55.1 P5.12@49.682,30.683 ; P5.12 49.708,30.709 P5.12@49.682,30.683
  Bottom Layer w0.254: R54.2@46.265,30.683 46.291,30.709 P5.12
PB5: P5.13 R56.2 R57.1 U2.41 | length 26.7
  Top Layer w0.254: U2.41 33.262,27.242 37.998,31.979 48.489,31.979 P5.13@49.759,33.249 ; R57.1 49.428,33.249 P5.13@49.759,33.249 ; P5.13 P5.13@49.759,33.249
  Bottom Layer w0.254: R56.2 P5.13
PB6: P5.14 R58.2 R59.1 U2.42 | length 28.3
  Top Layer w0.254: U2.42 32.762,27.504 39.802,34.544 48.463,34.544 P5.14@49.708,35.789 ; R59.1 P5.14@49.708,35.789 ; P5.14 P5.14@49.708,35.789
  Bottom Layer w0.254: R58.2 P5.14
PB7: P5.15 R60.2 R61.1 U2.43 | length 30.2
  Top Layer w0.254: U2.43 32.262,27.69 41.681,37.109 48.489,37.109 49.708,38.329 P5.15 ; R61.1 49.708,38.354 P5.15@49.962,38.354
  Bottom Layer w0.254: R60.2@46.24,38.329 P5.15
PB8: P5.16 R62.2 R63.1 U2.45 | length 31.9
  Top Layer w0.254: U2.45 31.262,27.452 43.434,39.624 48.463,39.624 P5.16@49.708,40.869 ; R63.1 P5.16@49.708,40.869 ; P5.16 P5.16@49.708,40.869
  Bottom Layer w0.254: R62.2 P5.16
PB9: P4.14 R30.2 R31.1 U2.46 | length 37.9
  Top Layer w0.254: P4.14 P4.14@3.15,35.992 ; R31.1@5.17,35.992 P4.14@3.15,35.992 ; U2.46 30.762,28.039 28.258,30.543 13.195,30.543 8.992,34.747 4.394,34.747 P4.14@3.15,35.992
  Bottom Layer w0.254: P4.14@2.896,35.966 R30.2
PB10: P4.2 R6.2 R7.1 U2.21 | length 46
  Top Layer w0.254: P4.2 P4.2@3.15,5.512 ; R7.1 P4.2@3.15,5.512 ; U2.21@33.762,16.866 33.762,8.159 29.896,4.293 4.369,4.293 P4.2@3.15,5.512
  Bottom Layer w0.254: P4.2 R6.2
PB11: P4.1 R4.2 R5.1 U2.22 | length 49.4
  Top Layer w0.254: P4.1 P4.1@3.15,2.972 ; R5.1 P4.1@3.15,2.972 ; U2.22 34.262,6.068 29.947,1.753 4.369,1.753 P4.1@3.15,2.972
  Bottom Layer w0.254: P4.1 R4.2
PB12: P5.1 R32.2 R33.1 U2.25 | length 32.3
  Top Layer w0.254: U2.25 36.537,6.084 41.097,1.524 48.463,1.524 49.708,2.769 P5.1
  Bottom Layer w0.254: R32.2 46.265,2.769 P5.1
PB13: P5.2 R34.2 R35.1 U2.26 | length 32.6
  Top Layer w0.254: U2.26 37.658,19.289 38.176,18.771 38.176,7.899 41.961,4.115 48.486,4.115 49.68,5.309 P5.2 ; R35.1 49.68,5.334 P5.2@49.936,5.334
  Bottom Layer w0.254: R34.2 46.265,5.309 P5.2
PB14: P5.3 R36.2 R37.1 U2.27 | length 30.2
  Top Layer w0.254: U2.27 38.09,19.789 38.786,19.094 38.786,10.49 42.723,6.553 48.412,6.553 P5.3@49.657,7.798 ; R37.1 P5.3@49.657,7.798 ; P5.3 49.708,7.849 P5.3@49.657,7.798
  Bottom Layer w0.254: R36.2 46.291,7.849 P5.3
PB15: P5.4 R38.2 R39.1 U2.28 | length 28.2
  Top Layer w0.254: U2.28 38.232,20.289 39.319,19.202 39.319,12.903 43.053,9.169 48.489,9.169 49.708,10.389 P5.4 ; R39.1 P5.4@49.936,10.389
  Bottom Layer w0.254: R38.2 P5.4
SWCLK: P2.3 U2.37 | length 9.9
  Top Layer w0.254: U2.37 35.262,26.21 35.684,26.632 35.929,26.632 v1(35.966,26.67)
  Bottom Layer w0.254: P2.3 33.198,29.439 v1(35.966,26.67)
SWDIO: P2.2 U2.34 | length 16
  Top Layer w0.254: U2.34 39.6,23.289 39.648,23.337 39.786,23.337 v1(39.824,23.374)
  Bottom Layer w0.254: P2.2 34.468,31.521 39.824,26.166 v1(39.824,23.374)
pads on no net: U2.1 U2.2

## Polygon pours and split planes (outlines as drawn)
GND on Top Layer "GND_L01_P001" (solid, remove dead copper, pour order 1): 0,0.025 0,46.174 52.781,46.174 52.781,0.025
+3.3v on Top Layer "GND_L01_P-001" (solid, remove dead copper, pour order 0): 7.417,40.97 7.417,39.751 9.677,39.751 10.109,40.183 15.494,40.183 16.662,39.014 20.295,39.014 20.295,42.494 16.535,42.494 15.392,41.351 9.652,41.351 9.271,40.97
GND on Bottom Layer "GND_L04_P002" (solid, remove dead copper, pour order 2): 0,0.025 0,46.174 52.781,46.174 52.781,0.025
+3.3v on +3.3v (split plane): 52.271,0.536 0.51,0.536 0.51,45.663 52.271,45.663
GND on GND (split plane): 52.271,0.536 0.51,0.536 0.51,45.663 52.271,45.663

## Keep-outs
Keep-Out Layer:
  lines w1: -0.076,-0.076 52.781,-0.076 52.781,46.153 -0.076,46.153 -0.076,-0.076

## Silkscreen, mask and mechanical layers (free items; w line width, h text height)
Top Overlay:
  lines w0.254: 0.559,0.406 52.426,0.406 52.426,45.669 0.559,45.669 0.559,0.406
  text "GND" at 1.826,44.355 h0.8
  text "+9V" at 1.8,38.487 h0.8
  text "+3.3V" at 27.172,35.354 h0.8 r90
  text "BOOT0" at 28.518,35.354 h0.8 r90
  text "GND" at 29.788,35.354 h0.8 r90
  text "GND" at 32.175,35.354 h0.8 r90
  text "SWCLK" at 33.445,35.354 h0.8 r90
  text "SWDIO" at 34.69,35.354 h0.8 r90
  text "+3.3V" at 35.909,35.354 h0.8 r90
Mechanical 1:
  lines w1: -0.076,-0.102 52.807,-0.102 52.807,46.18 -0.076,46.18 -0.076,-0.102
Mechanical 13:
  lines w1: -0.076,-0.102 52.807,-0.102 52.807,46.203 -0.076,46.203 -0.076,-0.102

## Dimensions
52.807,46.18 to 52.807,-0.102 on Mechanical 1
-0.076,-0.102 to 52.807,-0.102 on Mechanical 1